# Allegro board XS6-9.brd (continued)
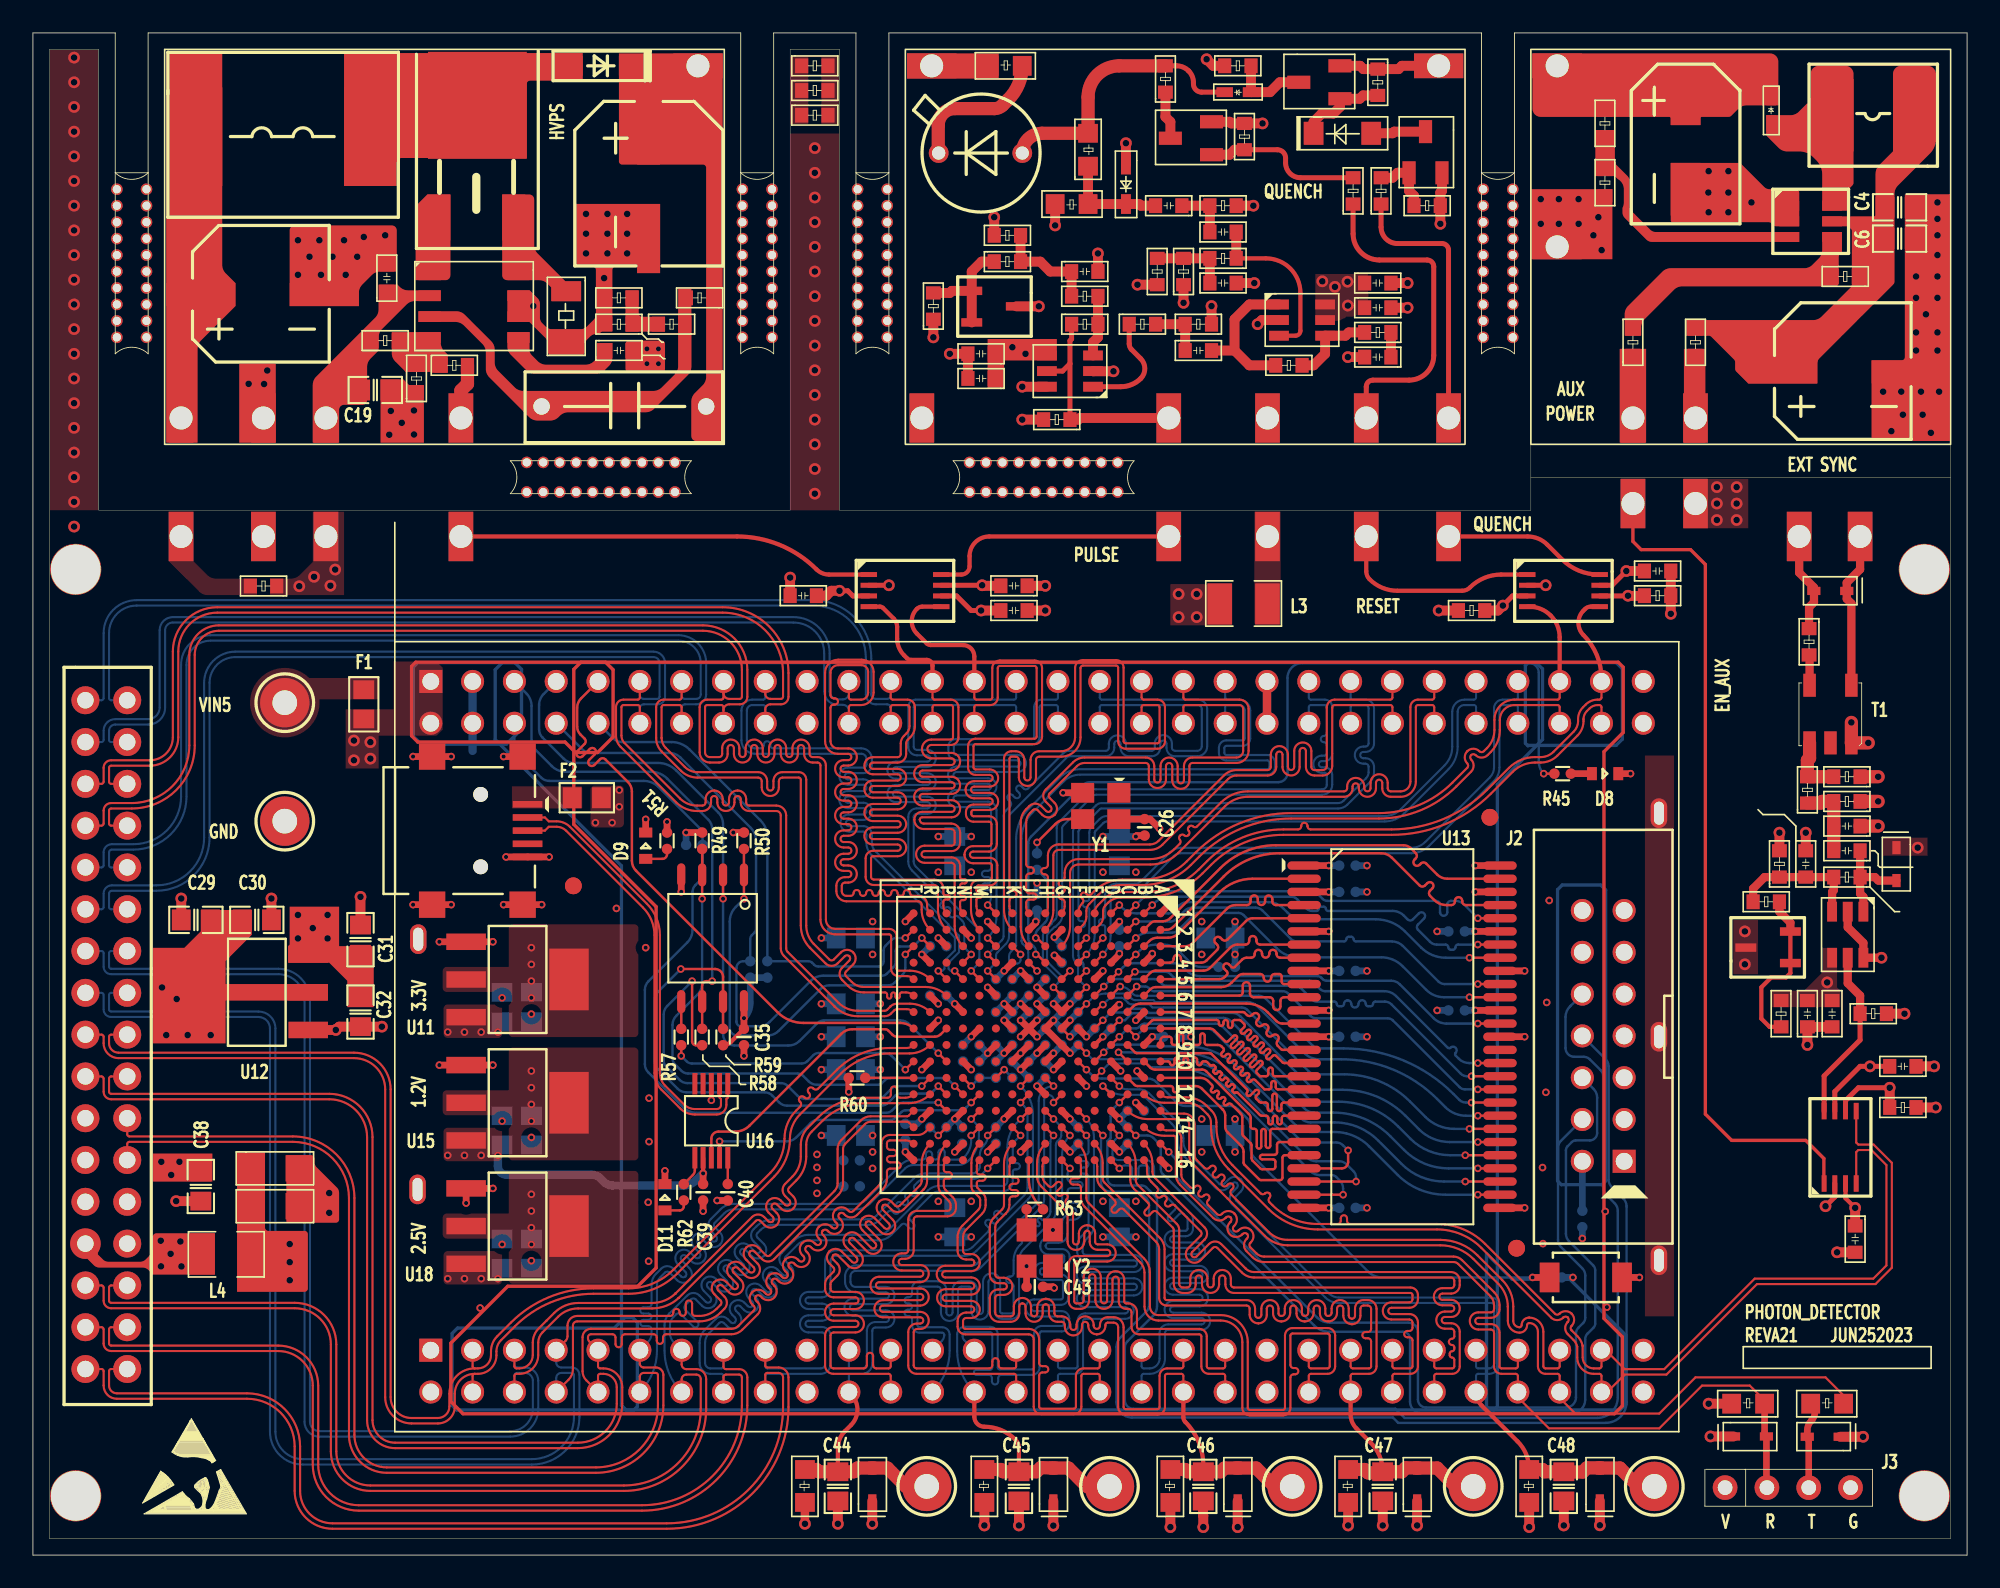
[diagram p0: board, top side]
## Routing (per net, layer and track width the routed paths; a pad name or vN(x,y) marks a point on that pad's centre or on a via; arc(x,y) is an arc through that point) (continued)
B15_L29P_1: length 37.9
  TOP w0.127: J6.50 85.13,10.89 arc(85.17,10.98) 85.26,11.01 86.22,11.01 arc(86.55,11.15) 86.68,11.47 86.68,13.57 arc(86.53,13.94) 86.16,14.09 85.77,14.09 arc(85.58,14.28) 85.77,14.47 86.16,14.47 arc(86.68,14.99) 86.16,15.51 85.63,15.51 arc(85.43,15.7) 85.63,15.89 86.16,15.89 arc(86.53,16.04) 86.68,16.41 86.68,16.67 arc(86.52,17.04) 86.15,17.2 74.18,17.2 arc(73.91,17.25) 73.68,17.41 72.18,18.9 arc(71.82,19.05) 71.45,18.9 70.7,18.15 arc(70.43,18.15) 70.43,18.42 71.18,19.17 arc(71.33,19.54) 71.18,19.91 69.61,21.48 68.17,22.92 arc(68.05,23.09) 68.01,23.3 68.01,23.77 arc(67.88,24.43) U14.B15
B16_L29N_1: length 37.9
  TOP w0.127: U14.B16 67.53,23.97 arc(67.64,23.8) 67.68,23.6 67.68,23.3 arc(67.75,22.97) 67.93,22.69 68.3,22.32 arc(68.35,22.19) 68.3,22.06 68.29,22.04 arc(68.29,21.78) 68.56,21.78 68.57,21.79 arc(68.84,21.79) 68.84,21.52 68.82,21.51 arc(68.82,21.24) 69.09,21.24 69.1,21.25 arc(69.24,21.3) 69.37,21.25 70.94,19.68 arc(71,19.54) 70.94,19.41 70.19,18.65 arc(70.19,17.92) 70.93,17.92 71.68,18.67 arc(71.82,18.72) 71.95,18.67 73.45,17.17 arc(73.78,16.95) 74.18,16.87 86.15,16.87 arc(86.29,16.81) 86.35,16.67 86.35,16.41 arc(86.29,16.28) 86.16,16.22 85.63,16.22 arc(85.1,15.7) 85.63,15.18 86.16,15.18 arc(86.35,14.99) 86.16,14.8 85.77,14.8 arc(85.25,14.28) 85.77,13.76 86.16,13.76 arc(86.29,13.7) 86.35,13.57 86.35,13.29 arc(86.31,13.19) 86.21,13.15 arc(86.08,13.09) 86.02,12.96 arc(86.08,12.82) 86.21,12.77 arc(86.31,12.73) 86.35,12.63 86.35,12.53 arc(86.31,12.43) 86.21,12.39 arc(86.11,12.35) 86.07,12.25 86.07,12.15 arc(86.11,12.05) 86.21,12.01 arc(86.31,11.96) 86.35,11.87 86.35,11.47 arc(86.31,11.38) 86.22,11.34 85.26,11.34 arc(85.17,11.38) 85.13,11.47 J6.49
C13_L63P_0: length 57.8
  TOP w0.127: R65.1 110,9.7 108.9,10.8 101,10.8 98.8,8.6 93.7,8.6 92.75,9.55 J6.56 92.75,10.89 arc(92.71,10.98) 92.62,11.01 91.89,11.01 arc(91.56,11.15) 91.43,11.47 91.43,13.57 arc(91.27,13.94) 90.9,14.1 arc(90.81,14.06) 90.77,13.97 arc(90.63,13.65) 90.31,13.52 arc(89.81,13.73) 89.6,14.23 89.6,15.1 89.6,15.1 arc(89.45,15.84) 89.03,16.47 87.52,17.99 arc(86.59,18.61) 85.5,18.83 76.22,18.83 arc(75.48,18.97) 74.85,19.4 72.56,21.68 70.47,23.77 arc(70.3,24.02) 70.25,24.31 70.25,26.18 arc(70.15,26.4) 69.93,26.5 67.72,26.5 arc(67.06,26.63) U14.C13
C15_L33P_1: length 37.8
  TOP w0.127: J6.48 82.59,10.89 arc(82.63,10.98) 82.72,11.01 83.68,11.01 arc(84.01,11.15) 84.14,11.47 84.14,14.13 arc(83.99,14.49) 83.62,14.65 82.53,14.65 arc(82.34,14.84) 82.53,15.03 83.62,15.03 arc(83.99,15.18) 84.14,15.55 84.14,15.8 arc(84.01,16.13) 83.68,16.26 72.96,16.26 arc(72.83,16.32) 72.77,16.45 72.77,16.81 arc(72.25,17.33) 71.73,16.81 71.73,16.45 arc(71.54,16.26) 71.35,16.45 71.35,16.81 arc(70.83,17.33) 70.31,16.81 70.31,16.45 arc(70.25,16.32) 70.12,16.26 69.86,16.26 arc(69.7,16.33) 69.64,16.49 69.64,19.77 arc(69.6,19.96) 69.49,20.13 67.13,22.49 arc(67.03,22.63) 66.99,22.81 66.99,23.81 arc(66.87,24.45) U14.C15
C16_L33N_1: length 37.8
  TOP w0.127: U14.C16 66.52,23.98 arc(66.63,23.82) 66.66,23.63 66.66,22.81 arc(66.72,22.51) 66.89,22.25 67.75,21.4 arc(67.81,21.26) 67.75,21.13 67.58,20.95 arc(67.58,20.68) 67.84,20.68 68.02,20.86 arc(68.16,20.91) 68.29,20.86 69.25,19.89 arc(69.29,19.84) 69.31,19.77 69.31,16.49 arc(69.47,16.09) 69.86,15.93 70.12,15.93 arc(70.49,16.08) 70.64,16.45 70.64,16.81 arc(70.83,17) 71.02,16.81 71.02,16.45 arc(71.54,15.93) 72.06,16.45 72.06,16.81 arc(72.25,17) 72.44,16.81 72.44,16.45 arc(72.6,16.08) 72.96,15.93 83.68,15.93 arc(83.77,15.89) 83.81,15.8 83.81,15.55 arc(83.75,15.41) 83.62,15.36 82.53,15.36 arc(82.01,14.84) 82.53,14.32 83.62,14.32 arc(83.75,14.26) 83.81,14.13 83.81,13.81 arc(83.75,13.67) 83.62,13.62 83.49,13.62 arc(83.3,13.43) 83.49,13.24 83.62,13.24 arc(83.75,13.18) 83.81,13.05 83.81,11.47 arc(83.77,11.38) 83.68,11.34 82.72,11.34 arc(82.63,11.38) 82.59,11.47 J6.47
D11_L66P_0: length 52
  TOP w0.147: U14.D11 v3(66,28.5)
  TOP w0.254: R70.1 arc(90.72,6.12) 90.19,6.91 88.01,9.09 arc(87.76,9.47) J6.52
  TOP w0.8: R70.1 91.7,5.2 91.84,5.06 C48.1 93.02,5.05 94.15,5.05 94.4,5.3 95.18,5.3 D18.2 96.41,5.29 97.52,4.18 TP35.1
  BOTTOM w0.127: J6.52 87.67,10.89 arc(87.71,10.98) 87.8,11.01 88.46,11.01 arc(88.91,11.2) 89.09,11.65 89.09,15.15 arc(88.95,15.5) 88.59,15.65 79.34,15.65 arc(79.01,15.72) 78.73,15.9 73.09,21.54 arc(73.04,21.67) 73.09,21.81 73.38,22.09 arc(73.53,22.46) 73.38,22.83 arc(73.01,22.98) 72.64,22.83 72.36,22.55 arc(72.22,22.49) 72.09,22.55 70.17,24.46 arc(69.96,24.77) 69.89,25.14 69.89,25.32 arc(69.77,25.92) 69.43,26.44 67.79,28.08 arc(67.54,28.24) 67.25,28.3 66.48,28.3 arc(66.22,28.35) v3(66,28.5)
D12_L66N_0: length 37.9
  TOP w0.147: U14.D12 v3(65,28.5)
  BOTTOM w0.127: J6.51 87.67,11.47 arc(87.71,11.38) 87.8,11.34 88.46,11.34 arc(88.67,11.43) 88.76,11.65 88.76,15.15 arc(88.71,15.27) 88.59,15.32 79.34,15.32 arc(78.88,15.41) 78.5,15.67 72.86,21.31 arc(72.71,21.67) 72.86,22.04 73.14,22.33 arc(73.2,22.46) 73.14,22.6 arc(73.01,22.65) 72.87,22.6 72.59,22.31 arc(72.22,22.16) 71.85,22.31 69.94,24.23 arc(69.66,24.65) 69.56,25.14 69.56,25.32 arc(69.46,25.8) 69.19,26.2 67.55,27.84 arc(67.41,27.94) 67.25,27.97 66.28,27.97 arc(65.59,28.11) v3(65,28.5)
D14_L31P_1: length 37.9
  TOP w0.147: U14.D14 v3(66,25.5)
  BOTTOM w0.127: J6.36 67.35,10.89 arc(67.39,10.98) 67.48,11.01 67.84,11.01 arc(68.5,11.29) 68.77,11.94 68.77,13.5 arc(68.83,13.63) 68.96,13.69 70.99,13.69 arc(71.52,14.21) 70.99,14.73 69.27,14.73 arc(69.08,14.92) 69.27,15.11 70.87,15.11 arc(71.39,15.63) 70.87,16.15 69.27,16.15 arc(69.08,16.34) 69.27,16.53 70.87,16.53 arc(71.39,17.05) 70.87,17.58 69.27,17.58 arc(69.08,17.77) 69.27,17.96 70.69,17.96 arc(71.21,18.48) 70.69,19 69.27,19 arc(69.08,19.19) 69.27,19.38 70.02,19.38 arc(70.34,19.51) 70.47,19.84 70.47,20.44 arc(70.44,20.61) 70.34,20.76 68.15,22.95 arc(68.12,23) 68.11,23.04 68.11,23.5 arc(67.96,23.86) 67.6,24.01 65.94,24.01 arc(65.69,24.11) 65.58,24.36 65.58,24.82 arc(65.63,25.06) 65.77,25.27 v3(66,25.5)
D16_L31N_1: length 37.9
  TOP w0.147: U14.D16 v3(66,23.5)
  BOTTOM w0.127: J6.35 67.35,11.47 arc(67.39,11.38) 67.48,11.34 67.84,11.34 arc(68.27,11.52) 68.44,11.94 68.44,13.5 arc(68.59,13.87) 68.96,14.02 70.99,14.02 arc(71.19,14.21) 70.99,14.4 69.27,14.4 arc(68.75,14.92) 69.27,15.44 70.87,15.44 arc(71.06,15.63) 70.87,15.82 69.27,15.82 arc(68.75,16.34) 69.27,16.86 70.87,16.86 arc(71.06,17.05) 70.87,17.25 69.27,17.25 arc(68.75,17.77) 69.27,18.29 70.69,18.29 arc(70.88,18.48) 70.69,18.67 69.27,18.67 arc(68.75,19.19) 69.27,19.71 70.02,19.71 arc(70.11,19.75) 70.14,19.84 70.14,20.44 arc(70.13,20.49) 70.11,20.53 69.91,20.72 arc(69.78,20.78) 69.64,20.72 69.26,20.34 arc(68.99,20.34) 68.99,20.61 69.37,20.99 arc(69.43,21.13) 69.37,21.26 67.92,22.72 arc(67.82,22.87) 67.78,23.04 67.78,23.5 arc(67.73,23.62) 67.6,23.68 67.35,23.68 arc(67.22,23.62) 67.16,23.49 67.16,23 arc(66.97,22.81) 66.78,23 66.78,23.49 arc(66.72,23.62) 66.59,23.68 66.33,23.68 arc(66.25,23.67) 66.17,23.64 arc(66.17,23.64) 66.17,23.64 arc(66.11,23.61) 66.07,23.57 v3(66,23.5)
DONE_2: length 50.5
  TOP w0.147: U14.P13 v3(55,27.5)
  BOTTOM w0.147: J4.6 29.25,49.21 arc(29.31,48.9) 29.49,48.63 30.88,47.25 arc(31.1,47.1) 31.37,47.04 37.11,47.04 arc(37.59,46.95) 38,46.68 40.5,44.17 arc(40.63,43.98) 40.68,43.75 R71.1 40.68,41.4 arc(40.63,41.17) 40.5,40.97 40.25,40.72 arc(40.12,40.52) 40.07,40.29 40.07,37.99 arc(39.99,37.58) 39.75,37.23 37.39,34.87 arc(37.23,34.63) 37.18,34.35 37.18,29.83 arc(37.23,29.56) 37.38,29.34 39.5,27.22 arc(39.88,26.97) 40.33,26.88 51.84,26.88 arc(52.03,26.92) 52.19,27.02 52.54,27.37 arc(52.68,27.46) 52.86,27.5 v3(55,27.5)
E1_L46N_3: length 43
  TOP w0.127: J4.57 95.29,52.11 arc(95.25,52.02) 95.16,51.98 95.06,51.98 arc(94.66,51.91) 94.33,51.69 94.17,51.52 arc(93.95,51.19) 93.87,50.8 93.87,50.68 arc(93.8,50.33) 93.6,50.04 92.37,48.81 arc(92.02,48.58) 91.6,48.49 91.25,48.49 arc(90.4,48.32) 89.67,47.84 88.34,46.5 arc(85.67,44.72) 82.53,44.1 77.62,44.1 arc(77.49,44.15) 77.43,44.29 77.43,44.31 arc(77.24,44.5) 77.05,44.31 77.05,44.29 arc(76.99,44.15) 76.86,44.1 75.97,44.1 arc(73.46,43.6) 71.34,42.18 70.82,41.66 arc(69.3,40.65) 67.51,40.29 66.09,40.29 arc(65.54,40.18) 65.08,39.87 64.71,39.5 arc(64.55,39.27) U14.E1
  TOP w0.254: U7.5 94.63,57.63 arc(94.45,57.6) 94.3,57.5 94.2,57.4 arc(93.89,56.65) 94.2,55.9 arc(95.01,54.69) 95.29,53.27 J4.57
E2_L46P_3: length 37.3
  TOP w0.127: J4.58 95.29,51.53 arc(95.25,51.62) 95.16,51.65 95.06,51.65 arc(94.79,51.6) 94.57,51.45 94.4,51.29 arc(94.25,51.06) 94.2,50.8 94.2,50.68 arc(94.1,50.21) 93.83,49.81 92.61,48.58 arc(92.15,48.27) 91.6,48.16 91.25,48.16 arc(90.52,48.02) 89.91,47.61 88.57,46.27 arc(85.8,44.42) 82.53,43.77 75.97,43.77 arc(73.59,43.3) 71.58,41.95 71.05,41.43 arc(69.43,40.34) 67.51,39.96 66.09,39.96 arc(65.67,39.87) 65.31,39.64 65.17,39.49 65.13,39.46 arc(65.04,39.31) 65.01,39.14 65.01,38.76 arc(64.97,38.53) 64.84,38.33 U14.E2
E3_L54N_3: length 37.2
  TOP w0.147: U14.E3 v3(65,37.5)
  BOTTOM w0.127: J4.53 90.21,52.11 arc(90.17,52.02) 90.08,51.98 89.3,51.98 arc(88.92,51.83) 88.76,51.45 88.76,47.87 arc(88.7,47.54) 88.51,47.26 84.59,43.34 arc(84.19,43.07) 83.73,42.98 69.75,42.98 arc(69.38,42.91) 69.06,42.7 67.31,40.95 arc(67.15,40.84) 66.95,40.8 65.81,40.8 arc(65.34,40.6) 65.14,40.12 65.14,38.79 arc(65.1,38.7) 65.01,38.66 64.95,38.66 arc(64.76,38.47) 64.95,38.28 65.01,38.28 arc(65.1,38.24) 65.14,38.16 65.14,37.69 arc(65.13,37.64) 65.1,37.6 v3(65,37.5)
E4_L54P_3: length 37.3
  TOP w0.147: U14.E4 v3(65,36.5)
  BOTTOM w0.127: J4.54 90.21,51.53 arc(90.17,51.62) 90.08,51.65 89.3,51.65 arc(89.15,51.6) 89.09,51.45 89.09,47.87 arc(89,47.41) 88.75,47.03 84.82,43.1 arc(84.32,42.77) 83.73,42.65 69.75,42.65 arc(69.5,42.6) 69.3,42.46 67.55,40.71 arc(67.27,40.53) 66.95,40.47 65.81,40.47 arc(65.57,40.37) 65.47,40.12 65.47,37.63 arc(65.35,37.02) v3(65,36.5)
E15_L34P_1: length 51.6
  TOP w0.127: J6.46 80.05,10.89 arc(80.09,10.98) 80.18,11.01 81.17,11.01 arc(81.49,11.15) 81.62,11.47 81.62,14.96 arc(81.47,15.34) 81.09,15.5 80.84,15.5 arc(80.47,15.35) 80.32,14.98 80.32,14.55 arc(80.26,14.42) 80.13,14.36 arc(79.99,14.42) 79.94,14.56 79.94,14.98 arc(79.42,15.5) 78.89,14.98 78.89,14.72 arc(78.84,14.59) 78.7,14.53 78.67,14.53 arc(78.56,14.58) 78.51,14.69 78.51,14.98 arc(77.99,15.5) 77.47,14.98 77.47,14.72 arc(77.42,14.59) 77.28,14.53 77.24,14.53 arc(77.14,14.58) 77.09,14.69 77.09,14.98 arc(76.57,15.5) 76.05,14.98 76.05,14.72 arc(75.99,14.59) 75.86,14.53 75.82,14.53 arc(75.71,14.58) 75.67,14.69 75.67,14.98 arc(75.15,15.5) 74.63,14.98 74.63,14.6 arc(74.57,14.47) 74.44,14.41 74.44,14.41 arc(74.3,14.47) 74.25,14.61 74.25,14.98 arc(74.09,15.35) 73.73,15.5 68.87,15.5 arc(68.78,15.54) 68.75,15.62 68.75,18.59 arc(68.67,18.96) 68.46,19.27 66.5,21.24 65.09,22.64 arc(65.02,22.76) 64.99,22.9 64.99,23.82 arc(64.86,24.46) U14.E15
  TOP w0.254: J6.46 80.05,8.55 arc(80.14,8.09) 80.4,7.7 81.27,6.83 arc(81.81,6.02) C47.1
  TOP w0.8: TP34.1 86.43,4.18 85.31,5.29 D17.2 84.08,5.3 83.4,5.3 83.16,5.06 C47.1 81.94,5 81.1,5 80.9,5.2 R69.1
E16_L34N_1: length 37.9
  TOP w0.127: J6.45 80.05,11.47 arc(80.09,11.38) 80.18,11.34 81.17,11.34 arc(81.26,11.38) 81.29,11.47 81.29,12.99 arc(81.24,13.12) 81.1,13.18 80.95,13.18 arc(80.76,13.37) 80.95,13.56 81.1,13.56 arc(81.24,13.61) 81.29,13.75 81.29,14.96 arc(81.24,15.11) 81.09,15.17 80.84,15.17 arc(80.7,15.11) 80.65,14.98 80.65,14.55 arc(80.5,14.18) 80.13,14.03 arc(79.76,14.19) 79.61,14.56 79.61,14.98 arc(79.42,15.17) 79.22,14.98 79.22,14.72 arc(79.07,14.36) 78.7,14.2 78.67,14.2 arc(78.32,14.34) 78.18,14.69 78.18,14.98 arc(77.99,15.17) 77.8,14.98 77.8,14.72 arc(77.65,14.36) 77.28,14.2 77.24,14.2 arc(76.9,14.34) 76.76,14.69 76.76,14.98 arc(76.57,15.17) 76.38,14.98 76.38,14.72 arc(76.23,14.36) 75.86,14.2 75.82,14.2 arc(75.48,14.34) 75.34,14.69 75.34,14.98 arc(75.15,15.17) 74.96,14.98 74.96,14.6 arc(74.81,14.23) 74.44,14.08 74.44,14.08 arc(74.07,14.24) 73.92,14.61 73.92,14.98 arc(73.86,15.11) 73.73,15.17 68.87,15.17 arc(68.55,15.3) 68.42,15.62 68.42,18.59 arc(68.37,18.83) 68.23,19.04 66.26,21 arc(66.13,21.06) 65.99,21 65.84,20.85 arc(65.57,20.85) 65.57,21.12 65.72,21.27 arc(65.78,21.41) 65.72,21.54 64.86,22.41 arc(64.71,22.63) 64.66,22.9 64.66,23.62 arc(64.62,23.83) U14.E16
EN: length 3.4
  TOP w0.8: TP9.1 26,70.77 26.4,71.17 R37.1
EN_AUX_PWR: length 50.5
  TOP w0.2: TP17.1 97.2,61.6 97.7,61.1 100.7,61.1 101.6,60.2 101.6,26.8 103.2,25.2 107.7,25.2 108.8,24.1 108.8,22.6 U17.1
EN_HVPS: length 25.4
  TOP w0.254: TP22.1 42.77,61.9 arc(45.38,61.38) 47.6,59.9 arc(47.95,59.67) 48.36,59.58 50.78,59.58
EN_HVPS_IO: length 44.5
  TOP w0.127: J4.25 54.65,52.11 arc(54.69,52.02) 54.78,51.98 55.77,51.98 arc(56.09,51.85) 56.22,51.53 56.22,49.69 arc(56.09,49.36) 55.77,49.23 54.58,49.23 arc(54.34,48.99) 54.58,48.75 55.8,48.75 arc(56.17,48.59) 56.33,48.22 arc(56.17,47.84) 55.78,47.68 54.05,47.68 arc(53.86,47.49) 54.05,47.3 55.81,47.3 arc(56.33,46.78) 55.81,46.26 54.05,46.26 arc(53.86,46.07) 54.05,45.87 55.81,45.87 arc(56.33,45.35) 55.81,44.83 54.01,44.83 arc(53.92,44.79) 53.88,44.69 arc(53.95,44.52) 54.12,44.45 55.78,44.45 arc(56.17,44.29) 56.33,43.91 56.33,43.3 arc(56.17,42.93) 55.81,42.78 54.17,42.78 arc(53.98,42.59) 54.17,42.4 55.81,42.4 arc(56.17,42.25) 56.33,41.88 56.33,41.2 arc(56.36,41.11) 56.45,41.07 56.61,41.07 arc(56.73,40.94) 56.61,40.82 56.45,40.82 arc(56.33,40.69) 56.45,40.56 56.56,40.56 arc(56.68,40.44) 56.56,40.31 56.45,40.31 arc(56.33,40.18) 56.45,40.05 56.56,40.05 arc(56.68,39.93) 56.56,39.8 56.45,39.8 arc(56.36,39.76) 56.33,39.67 56.33,39.42 arc(56.37,39.19) U14.N1
  TOP w0.254: U6.4 51.46,57.63 arc(51.56,57.62) 51.64,57.56 52.3,56.9 arc(52.45,56.68) 52.5,56.42 52.5,55.7 arc(52.61,55.15) 52.92,54.68 53.1,54.5 arc(53.21,54.43) 53.34,54.4 54.3,54.4 arc(54.55,54.3) 54.65,54.05 J4.25
F1_L41N_GCLK26_3: length 42.9
  TOP w0.127: J4.55 92.75,52.11 arc(92.71,52.02) 92.62,51.98 90.01,51.98 arc(89.15,51.63) 88.79,50.76 88.79,50.14 arc(88.67,49.54) 88.33,49.04 88.14,48.85 arc(88.01,48.79) 87.87,48.85 arc(87.5,49) 87.14,48.85 arc(86.98,48.48) 87.14,48.11 arc(87.19,47.98) 87.14,47.84 86.24,46.94 arc(84.18,45.57) 81.76,45.09 76.43,45.09 arc(73.29,44.46) 70.62,42.68 70.1,42.16 arc(68.87,41.34) 67.42,41.05 66.19,41.05 arc(65.26,40.87) 64.47,40.34 64.29,40.16 arc(64.16,40.1) 64.03,40.16 63.98,40.21 arc(63.71,40.21) 63.71,39.94 63.76,39.89 arc(63.81,39.76) 63.76,39.63 arc(63.57,39.34) U14.F1
  TOP w0.254: J4.55 92.75,55.77 arc(92.61,56.49) 92.2,57.1 arc(91.61,57.5) 90.91,57.63 U7.4
F2_L41P_GCLK27_3: length 37.2
  TOP w0.127: U14.F2 63.79,38.29 arc(63.94,38.52) 64,38.79 64,39.15 arc(64.04,39.38) 64.18,39.57 64.71,40.11 arc(65.39,40.56) 66.19,40.72 67.42,40.72 arc(69,41.03) 70.33,41.93 70.86,42.45 arc(73.41,44.16) 76.43,44.76 81.76,44.76 arc(84.31,45.27) 86.47,46.71 86.47,46.71 87.37,47.61 arc(87.52,47.98) 87.37,48.34 arc(87.31,48.48) 87.37,48.61 arc(87.5,48.67) 87.64,48.61 arc(88.01,48.46) 88.38,48.61 88.56,48.8 arc(88.97,49.42) 89.12,50.14 89.12,50.76 arc(89.38,51.39) 90.01,51.65 92.62,51.65 arc(92.71,51.62) 92.75,51.53 J4.56
F3_L53N_3: length 37.3
  TOP w0.147: U14.F3 v3(64,37.5)
  BOTTOM w0.127: J4.51 87.67,52.11 arc(87.63,52.02) 87.54,51.98 86.96,51.98 arc(86.44,51.77) 86.22,51.24 86.22,49.11 arc(86.1,48.5) 85.75,47.98 83.08,45.31 arc(82.64,45.02) 82.12,44.91 65.25,44.91 arc(65.01,44.86) 64.8,44.73 64.31,44.23 arc(64.21,44.08) 64.18,43.91 64.18,39.87 arc(64.14,39.78) 64.05,39.75 63.96,39.75 arc(63.77,39.56) 63.96,39.37 64.05,39.37 arc(64.14,39.33) 64.18,39.24 64.18,37.92 arc(64.13,37.69) v3(64,37.5)
F4_L53P_3: length 37.3
  TOP w0.147: U14.F4 v3(64,36.5)
  BOTTOM w0.127: J4.52 87.67,51.53 arc(87.63,51.62) 87.54,51.65 86.96,51.65 arc(86.67,51.53) 86.55,51.24 86.55,49.11 arc(86.41,48.38) 85.99,47.75 83.32,45.08 arc(82.77,44.71) 82.12,44.58 65.25,44.58 arc(65.13,44.56) 65.04,44.49 64.54,44 arc(64.51,43.96) 64.51,43.91 64.51,37.72 arc(64.37,37.06) v3(64,36.5)
F5_L55N_3: length 37.2
  TOP w0.147: U14.F5 v3(64,35.5)
  BOTTOM w0.127: J4.45 80.05,52.11 arc(80.09,52.02) 80.18,51.98 80.95,51.98 arc(81.32,51.83) 81.47,51.46 81.47,49.33 arc(81.32,48.96) 80.95,48.8 80.82,48.8 arc(80.63,48.61) 80.82,48.42 80.95,48.42 arc(81.32,48.27) 81.47,47.9 81.47,47.57 arc(81.41,47.25) 81.22,46.97 79.85,45.6 arc(79.59,45.43) 79.29,45.37 64.91,45.37 arc(64.86,45.36) 64.82,45.33 63.55,44.06 arc(63.52,44.02) 63.51,43.97 63.51,38.66 arc(63.55,38.57) 63.64,38.53 63.73,38.53 arc(63.92,38.34) 63.73,38.15 63.64,38.15 arc(63.55,38.11) 63.51,38.02 63.51,36.42 arc(63.54,36.32) 63.6,36.23 63.7,36.13 arc(63.7,36.12) 63.7,36.12 arc(63.71,36.12) 63.71,36.11 arc(63.72,36.1) 63.72,36.1 arc(63.74,36.08) 63.74,36.07 arc(63.8,35.98) 63.82,35.88 63.82,35.76 arc(63.85,35.67) 63.9,35.6 v3(64,35.5)
F6_L55P_3: length 37.3
  TOP w0.147: U14.F6 v3(64,34.5)
  BOTTOM w0.127: J4.46 80.05,51.53 arc(80.09,51.62) 80.18,51.65 80.95,51.65 arc(81.09,51.6) 81.14,51.46 81.14,49.33 arc(81.09,49.19) 80.95,49.13 80.82,49.13 arc(80.3,48.61) 80.82,48.09 80.95,48.09 arc(81.09,48.04) 81.14,47.9 81.14,47.57 arc(81.1,47.38) 80.99,47.21 79.62,45.84 arc(79.47,45.73) 79.29,45.7 64.91,45.7 arc(64.74,45.66) 64.59,45.56 63.32,44.29 arc(63.22,44.14) 63.18,43.97 63.18,36.42 arc(63.23,36.19) 63.36,36 63.45,35.91 arc(63.48,35.86) 63.49,35.82 63.49,35.18 arc(63.52,35.02) 63.61,34.89 v3(64,34.5)
F10_KEY_0: length 35.7
  TOP w0.147: U14.F10 v3(64,29.5)
  TOP w0.406: S1.1 v3(91.1,16.87)
  BOTTOM w0.147: R82.2 v3(91.1,16.87) 81.97,16.87 arc(81.51,16.96) 81.12,17.23 74.25,24.1 arc(74.03,24.42) 73.95,24.8 73.95,26.06 arc(73.9,26.32) 73.75,26.55 73.19,27.11 arc(72.98,27.25) 72.73,27.3 69.99,27.3 arc(69.72,27.35) 69.5,27.5 68.25,28.74 arc(68.01,28.9) 67.73,28.96 64.94,28.96 arc(64.57,29.03) 64.26,29.24 v3(64,29.5)
F13_L32P_1: length 37.9
  TOP w0.147: U14.F13 v3(64,26.5)
  BOTTOM w0.127: J6.32 62.27,10.89 arc(62.31,10.98) 62.4,11.01 63.34,11.01 arc(63.66,11.15) 63.79,11.47 63.79,14.23 arc(63.83,14.32) 63.92,14.36 66.35,14.36 arc(66.87,14.88) 66.35,15.4 63.94,15.4 arc(63.75,15.59) 63.94,15.78 66.88,15.78 arc(67.4,16.3) 66.88,16.82 63.94,16.82 arc(63.75,17.01) 63.94,17.2 66.88,17.2 arc(67.41,17.72) 66.88,18.24 63.97,18.24 arc(63.83,18.3) 63.77,18.45 63.77,18.76 arc(63.81,18.96) 63.92,19.13 64.2,19.41 arc(64.39,19.69) 64.46,20.03 64.46,25.39 arc(64.34,25.99) v3(64,26.5)
F14_L32N_1: length 37.9
  TOP w0.147: U14.F14 v3(64,25.5)
  BOTTOM w0.127: J6.31 62.27,11.47 arc(62.31,11.38) 62.4,11.34 63.34,11.34 arc(63.43,11.38) 63.46,11.47 63.46,14.23 arc(63.6,14.55) 63.92,14.69 66.35,14.69 arc(66.54,14.88) 66.35,15.07 63.94,15.07 arc(63.42,15.59) 63.94,16.11 66.88,16.11 arc(67.07,16.3) 66.88,16.49 63.94,16.49 arc(63.42,17.01) 63.94,17.53 66.88,17.53 arc(67.08,17.72) 66.88,17.91 63.97,17.91 arc(63.59,18.07) 63.44,18.45 63.44,18.76 arc(63.5,19.09) 63.69,19.36 63.97,19.64 arc(64.09,19.82) 64.13,20.03 64.13,22.99 arc(64.07,23.12) 63.94,23.18 63.83,23.18 arc(63.64,23.37) 63.83,23.56 63.94,23.56 arc(64.13,23.75) 63.94,23.94 63.7,23.94 arc(63.51,24.13) 63.7,24.32 63.94,24.32 arc(64.07,24.38) 64.13,24.51 64.13,25.19 arc(64.1,25.36) v3(64,25.5)
F15_L35P_1: length 37.9
  TOP w0.127: J6.44 77.51,10.89 arc(77.55,10.98) 77.64,11.01 78.65,11.01 arc(78.98,11.15) 79.11,11.47 79.11,13.34 arc(78.98,13.66) 78.65,13.8 76.52,13.8 arc(76.2,13.66) 76.06,13.34 76.06,8.94 arc(76.03,8.85) 75.94,8.82 73.93,8.82 arc(73.84,8.85) 73.8,8.94 73.8,12.94 arc(73.32,14.1) 72.15,14.58 68.37,14.58 arc(68.01,14.73) 67.86,15.1 67.86,17.16 arc(67.77,17.63) 67.5,18.02 64.13,21.4 arc(64.03,21.54) 64,21.71 64,23.8 arc(63.87,24.45) U14.F15
F16_L35N_1: length 37.9
  TOP w0.127: U14.F16 63.54,23.96 arc(63.63,23.82) 63.67,23.65 63.67,23.09 arc(63.61,22.95) 63.48,22.9 63.2,22.9 arc(63.01,22.71) 63.2,22.52 63.48,22.52 arc(63.61,22.46) 63.67,22.33 63.67,21.71 arc(63.73,21.42) 63.9,21.16 67.27,17.79 arc(67.46,17.5) 67.53,17.16 67.53,15.1 arc(67.78,14.5) 68.37,14.25 72.15,14.25 arc(73.09,13.87) 73.47,12.94 73.47,8.94 arc(73.61,8.62) 73.93,8.49 75.94,8.49 arc(76.26,8.62) 76.39,8.94 76.39,10.8 arc(76.45,10.93) 76.58,10.99 76.68,10.99 arc(76.88,11.18) 76.68,11.37 76.58,11.37 arc(76.45,11.42) 76.39,11.56 76.39,13.34 arc(76.43,13.43) 76.52,13.47 78.65,13.47 arc(78.74,13.43) 78.78,13.34 78.78,11.47 arc(78.74,11.38) 78.65,11.34 77.64,11.34 arc(77.55,11.38) 77.51,11.47 J6.43
FPGA_TCK: length 60.9
  TOP w0.147: U14.C14 v3(67,25.5)
  BOTTOM w0.147: v3(67,25.5) 67.71,25.5 arc(67.9,25.46) 68.06,25.35 68.37,25.05 arc(68.48,24.88) 68.52,24.68 68.52,23.43 arc(68.55,23.28) 68.63,23.16 77.83,13.96 arc(78.26,13.67) 78.78,13.57 83.23,13.57 arc(83.53,13.44) 83.66,13.14 83.66,9.33 arc(83.86,8.84) 84.34,8.64 93.51,8.64 arc(94.07,8.87) 94.3,9.43 94.3,13.12 arc(94.34,13.3) 94.44,13.45 94.81,13.82 arc(94.88,13.93) 94.91,14.07 94.91,17.3 arc(94.88,17.47) 94.78,17.61 93.32,19.07 arc(93.18,19.28) 93.13,19.53 93.13,24.6 arc(93.16,24.73) 93.23,24.85 93.49,25.1 arc(93.6,25.17) 93.73,25.2 94.58,25.2 arc(94.9,25.33) 95.03,25.65 95.03,27.8 arc(94.97,28.09) 94.81,28.33 J2.6
FPGA_TDI: length 80
  TOP w0.147: U14.C12 v3(66,27.5)
  BOTTOM w0.147: J2.10 93.41,33.38 93.37,33.33 arc(93.17,33.04) 93.11,32.69 93.11,30.81 arc(93.26,30.44) 93.64,30.28 94.21,30.28 arc(94.41,30.24) 94.58,30.13 95.24,29.47 arc(95.35,29.3) 95.39,29.1 95.39,22.33 arc(95.44,22.1) 95.57,21.9 96.09,21.38 arc(96.23,21.17) 96.28,20.92 96.28,9.58 arc(95.92,8.7) 95.04,8.34 83.33,8.34 82.77,8.89 66.85,8.89 arc(66.48,9.04) 66.33,9.41 66.33,12.62 arc(66.37,12.81) 66.48,12.98 68.06,14.55 arc(68.23,14.81) 68.29,15.12 68.29,21.52 arc(68.26,21.68) 68.16,21.82 67.64,22.34 arc(67.52,22.43) 67.37,22.46 65.7,22.46 arc(65.4,22.58) 65.27,22.88 65.27,25.16 65.47,25.35 65.47,26.66 arc(65.53,26.95) 65.69,27.19 v3(66,27.5)
FPGA_TDO: length 75.7
  TOP w0.147: U14.E14 v3(65,25.5)
  BOTTOM w0.147: J2.8 95.51,30.17 95.54,30.14 arc(95.67,29.94) 95.72,29.7 95.72,22.81 arc(95.77,22.58) 95.9,22.38 96.62,21.66 arc(96.76,21.45) 96.81,21.2 96.81,9.3 arc(96.44,8.41) 95.55,8.04 82.94,8.04 82.62,8.36 66.77,8.36 arc(66.1,8.64) 65.83,9.3 65.83,12.65 arc(65.89,12.96) 66.06,13.22 67.65,14.8 arc(67.77,14.98) 67.81,15.19 67.81,21.27 arc(67.76,21.5) 67.63,21.7 67.38,21.95 arc(67.23,22.04) 67.07,22.08 65.47,22.08 arc(65.06,22.25) 64.89,22.66 64.89,25.22 arc(64.92,25.37) v3(65,25.5)
FPGA_TMS: length 53.6
  TOP w0.147: U14.A15 v3(69,24.5)
  BOTTOM w0.147: v3(69,24.5) 69.31,24.19 arc(69.44,24) 69.48,23.77 69.48,23.2 arc(69.53,22.98) 69.65,22.8 77.99,14.46 arc(78.36,14.21) 78.79,14.13 83.56,14.13 arc(83.97,13.96) 84.14,13.54 84.14,9.45 arc(84.28,9.11) 84.62,8.97 93.13,8.97 arc(93.56,9.15) 93.74,9.58 93.74,13.45 arc(93.78,13.65) 93.89,13.82 94.17,14.1 arc(94.27,14.25) 94.31,14.42 94.31,16.99 arc(94.26,17.23) 94.12,17.43 92.83,18.72 arc(92.69,18.92) 92.65,19.15 92.65,24.74 arc(92.7,24.97) 92.83,25.17 J2.4
G1_L40N_3: length 37.2
  TOP w0.127: J4.49 85.13,52.11 arc(85.09,52.02) 85,51.98 84.14,51.98 arc(83.82,51.85) 83.68,51.53 83.68,47.01 arc(83.51,46.58) 83.09,46.41 82.49,46.41 arc(82.36,46.47) 82.3,46.6 82.3,46.93 arc(81.78,47.45) 81.26,46.93 81.26,46.6 arc(81.07,46.41) 80.88,46.6 80.88,46.71 arc(80.36,47.23) 79.84,46.71 79.84,46.6 arc(79.78,46.47) 79.65,46.41 73.81,46.41 arc(72.92,46.23) 72.18,45.73 70.72,44.28 arc(70.6,44.23) 70.48,44.28 arc(70.37,44.33) 70.25,44.28 70.21,44.24 arc(70.16,44.13) 70.21,44.01 arc(70.26,43.89) 70.21,43.77 70.18,43.74 arc(70.06,43.69) 69.94,43.74 arc(69.83,43.79) 69.71,43.74 69.67,43.7 arc(69.63,43.59) 69.67,43.47 arc(69.72,43.35) 69.67,43.23 69.34,42.9 arc(68.67,42.45) 67.88,42.3 63.52,42.3 arc(62.92,42.05) 62.68,41.46 62.68,41.18 arc(62.62,41.05) 62.5,41 arc(62.37,40.95) 62.32,40.82 62.32,40.8 arc(62.37,40.67) 62.5,40.62 arc(62.62,40.57) 62.68,40.44 62.68,40.42 arc(62.62,40.29) 62.5,40.24 arc(62.37,40.19) 62.32,40.06 62.32,40.03 arc(62.37,39.91) 62.5,39.86 arc(62.62,39.8) 62.68,39.68 62.68,39.42 arc(62.63,39.19) U14.G1
G3_L40P_3: length 37.2
  TOP w0.127: J4.50 85.13,51.53 arc(85.09,51.62) 85,51.65 84.14,51.65 arc(84.05,51.62) 84.01,51.53 84.01,47.01 arc(83.74,46.35) 83.09,46.08 82.49,46.08 arc(82.12,46.23) 81.97,46.6 81.97,46.93 arc(81.78,47.12) 81.59,46.93 81.59,46.6 arc(81.07,46.08) 80.55,46.6 80.55,46.71 arc(80.36,46.9) 80.17,46.71 80.17,46.6 arc(80.02,46.23) 79.65,46.08 73.81,46.08 arc(73.05,45.93) 72.41,45.5 69.58,42.67 arc(68.8,42.15) 67.88,41.96 63.52,41.96 arc(63.16,41.82) 63.01,41.46 63.01,38.22 arc(62.88,37.56) U14.G3
G5_L51N_3: length 37.2
  TOP w0.147: U14.G5 v3(63,35.5)
  BOTTOM w0.127: v3(63,35.5) 62.68,35.18 62.5,35.18 61.71,35.97 arc(61.64,36.08) 61.61,36.21 61.61,37.62 arc(61.63,37.71) 61.69,37.8 62.07,38.18 62.12,38.18 62.34,38.4 arc(62.48,38.6) 62.52,38.85 62.52,44.19 arc(62.54,44.26) 62.58,44.32 64.37,46.12 arc(64.47,46.18) 64.59,46.21 78.33,46.21 arc(78.76,46.38) 78.93,46.81 78.93,47.41 arc(78.8,47.74) 78.48,47.87 78.31,47.87 arc(78.12,48.06) 78.31,48.25 78.48,48.25 arc(78.8,48.39) 78.93,48.71 78.93,51.53 arc(78.8,51.85) 78.48,51.98 77.64,51.98 arc(77.55,52.02) 77.51,52.11 J4.43
G6_L51P_3: length 37.3
  TOP w0.147: U14.G6 v3(62,34.5)
  BOTTOM w0.127: J4.44 77.51,51.53 arc(77.55,51.62) 77.64,51.65 78.48,51.65 arc(78.57,51.62) 78.6,51.53 78.6,49.95 arc(78.55,49.83) 78.42,49.78 arc(78.23,49.59) 78.42,49.4 arc(78.55,49.34) 78.6,49.22 78.6,48.71 arc(78.57,48.62) 78.48,48.58 78.31,48.58 arc(77.79,48.06) 78.31,47.54 78.48,47.54 arc(78.57,47.5) 78.6,47.41 78.6,46.81 arc(78.52,46.62) 78.33,46.54 64.59,46.54 arc(64.35,46.49) 64.14,46.35 62.35,44.56 arc(62.23,44.39) 62.19,44.19 62.19,38.85 arc(62.17,38.73) 62.1,38.63 61.89,38.41 61.89,38.36 61.51,37.98 arc(61.39,37.81) 61.36,37.62 61.36,36.21 arc(61.4,35.98) 61.53,35.79 62.32,35 62.32,34.82 v3(62,34.5)